# Altium PCB PCBV3.PcbDoc (part 1 of 3) (continued)
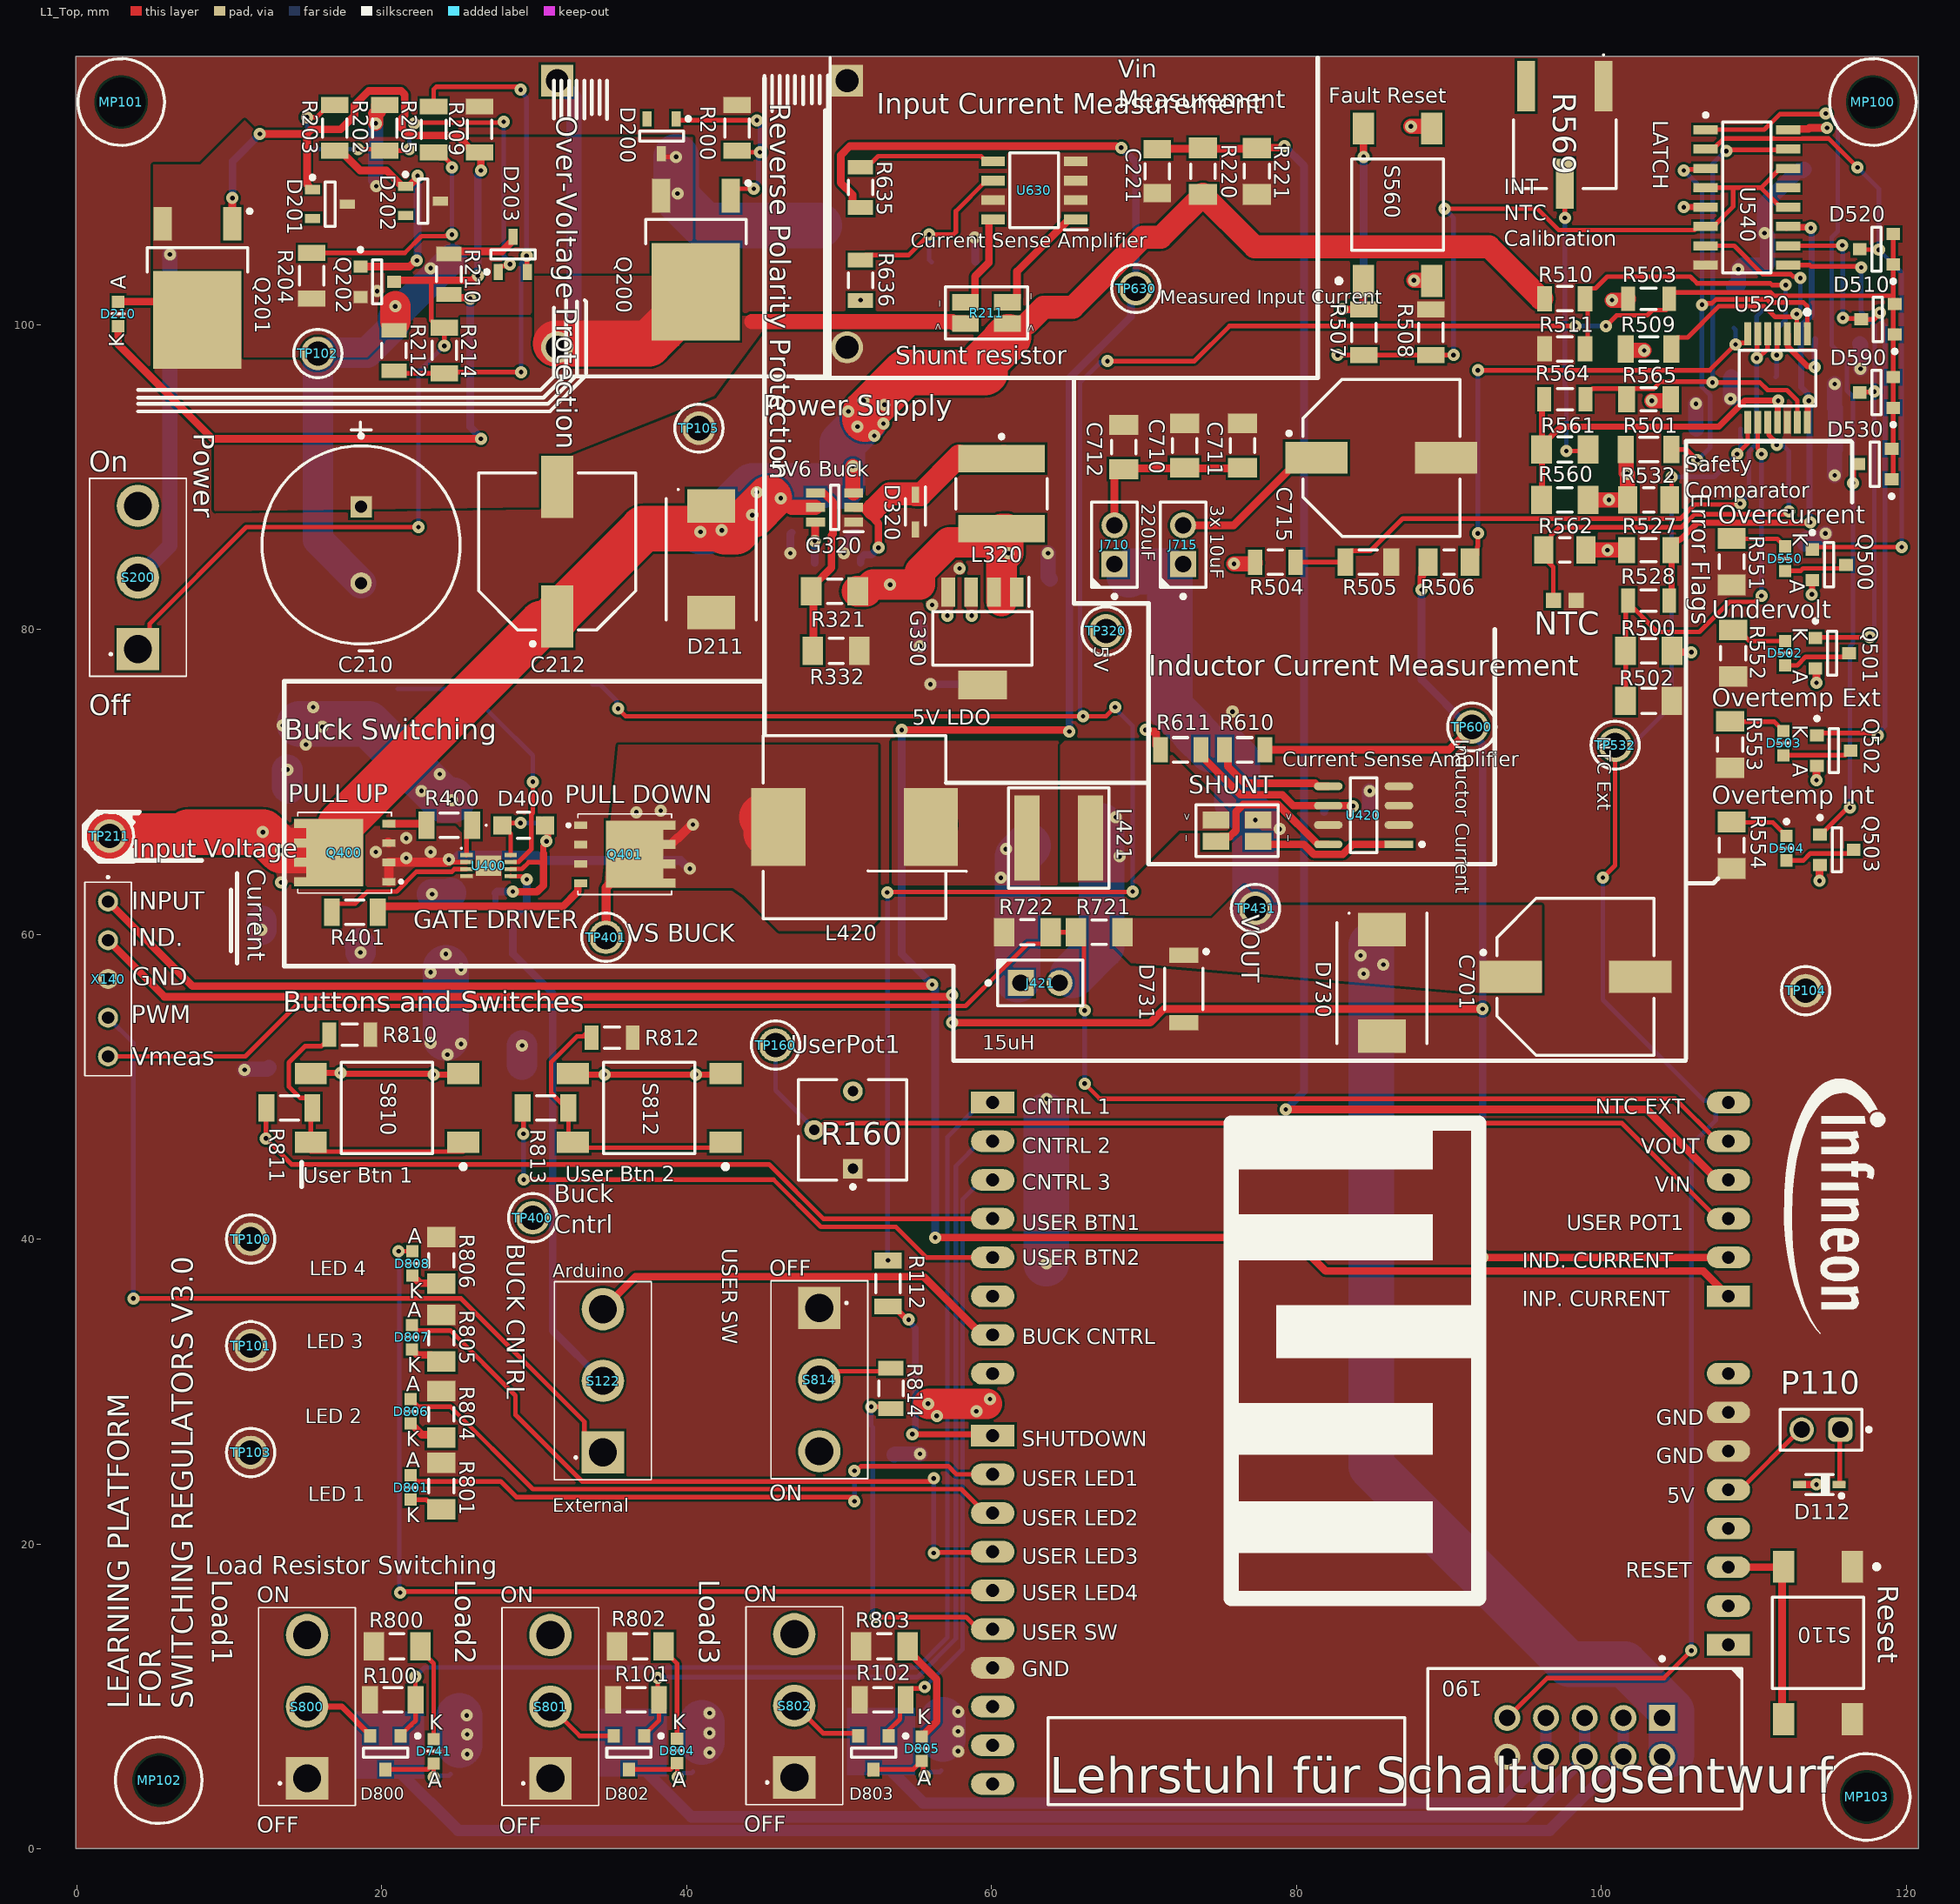
[diagram p0: L1_Top view]
## Components (designator, comment, footprint, x,y, rotation, side; value= is the part's Value field where it differs from the comment) (continued)
NTC "10k" RESC1608X95N-1 97.6,81.9 r180 top value=NTC
P110 "61300211121" 61300211121 114.4,27.5 r180 top
Q200 "IPD650P06NM" TO228P998X250-3N-V2 40.6,105.3 r270 top
Q201 "IPD650P06NM" TO228P998X250-3N-V2 7.899,103.451 r270 top
Q202 "ISS17EP06LM" SOT95P240X110-3N-1-V 19.699,102.801 r0 top
Q400 "BSC067N06LS3_G" BSC080N03LSG 17.8,65.349 r90 top value="BSC067N06LS3 G"
Q401 "BSC067N06LS3_G" BSC080N03LSG 35.7,65.249 r270 top value="BSC067N06LS3 G"
Q402 "IPD70P04P4L08ATMA2" IPD70P04P4L08ATMA2 28.6,74.1 r270 bottom
Q500 "ISS17EP06LM" SOT95P240X110-3N-1-V 114.94,84.24 r0 top
Q501 "ISS17EP06LM" SOT95P240X110-3N-1-V 115.14,78.44 r0 top
Q502 "ISS17EP06LM" SOT95P240X110-3N-1-V 115.24,72.04 r0 top
Q503 "ISS17EP06LM" SOT95P240X110-3N-1-V 115.44,65.54 r0 top
Q741 "igfet_n_ch_enh_dio_1s2s3s4g5d6d7d8d_8p" IFX-PG-TDSON-8-6-V 21.6,6.8 r180 bottom value=BSC0906NS
Q800 "igfet_n_ch_enh_dio_1s2s3s4g5d6d7d8d_8p" IFX-PG-TDSON-8-6-V 37.506,6.965 r180 bottom value=BSC0906NS
Q801 "igfet_n_ch_enh_dio_1s2s3s4g5d6d7d8d_8p" IFX-PG-TDSON-8-6-V 53.806,7.035 r180 bottom value=BSC0906NS
R100 "100k" RESC3216X60N 20.721,9.769 r180 top
R101 "100k" RESC3216X60N 36.681,9.768 r180 top
R102 "100k" RESC3216X60N 52.856,9.769 r180 top
R112 "47k" RESC3216X60N 53.2,37.079 r270 top
R160 "10k" POT-THT-3362P 49.63,47.16 r90 top value=3362P-1-103T_LF
R200 "47k" RESC3216X60N 43.3,112.9 r270 top
R202 "47k" RESC3216X60N 20.2,112.9 r90 top
R203 "47k" RESC3216X60N 16.9,112.9 r90 top
R204 "100k" RESC3216X60N 15.399,103.201 r90 top
R205 "47k" RESC3216X60N 23.4,112.8 r270 top
R209 "47k" RESC3216X60N 26.4,112.8 r270 top
R210 "18k" FP-CRCW1206-e3-IPC_C 24.399,103.301 r270 top
R211 "15mR" RES-SMD-L4T12 59.66,100.76 r180 top
R212 "18k" FP-CRCW1206-e3-IPC_C 20.8,98.3 r270 top
R214 "1MEG" RESC3216X60N 24.1,98.3 r90 top
R220 "22k" FP-CRCW1206-e3-IPC_A 73.86,110.06 r270 top
R221 "4.7k" RESC3216X60X45ML15T20 77.4,110.06 r90 top
R321 "39k" FP-CRCW1206-e3-IPC_A 49.7,82.5 r0 top
R332 "4.7k" RESC3216X60X45ML15T20 49.8,78.6 r180 top
R400 "20.5R" RESC3216X60N 24.425,67.152 r0 top
R401 "20.5R" RESC3216X60N 18.226,61.449 r180 top
R402 "4.7k" RESC3216X60X45ML15T20 19.525,76.1 r0 bottom
R500 "22k" FP-CRCW1206-e3-IPC_A 103.1,78.6 r0 top
R501 "4.7k" RESC3216X60N 103.1,91.8 r180 top
R502 "4.7k" RESC3216X60X45ML15T20 103.1,75.3 r180 top value=4.7KOhm
R503 "47k" RESC3216X60X45LL10T20 103.1,101.7 r180 top
R504 "64.9k" FP-CRCW1206-e3-IPC_C 78.604,84.41 r180 top
R505 "64.9k" RESC3216X60N 84.704,84.41 r180 top
R506 "10k" RESC3116X65X50NL20T20 90.004,84.41 r0 top
R507 "100k" RESC3216X60N 84.405,99.488 r90 top
R508 "2.2k" RESC3216X60N 88.818,99.488 r90 top
R509 "4.7k" RESC3216X60N 103.1,98.4 r180 top
R510 "56k" FP-CRCW1206-e3-IPC_C 97.6,101.7 r180 top
R511 "18k" FP-CRCW1206-e3-IPC_C 97.6,98.4 r0 top
R527 "100k" RESC3216X60X45NL10T20 103.1,85.2 r180 top
R528 "47k" RESC3216X60X45LL10T20 103.1,81.9 r0 top
R532 "10k" RESC3116X65X50NL20T20 103.1,88.5 r180 top
R551 "4.7k" RESC3216X60X45ML15T20 108.54,84.44 r90 top value=4.7KOhm
R552 "4.7k" RESC3216X60X45ML15T20 108.64,78.44 r90 top value=4.7KOhm
R553 "4.7k" RESC3216X60X45ML15T20 108.44,72.44 r90 top value=4.7KOhm
R554 "4.7k" RESC3216X60X45ML15T20 108.54,65.84 r90 top value=4.7KOhm
R560 "22k" FP-CRCW1206-e3-IPC_A 97.6,88.5 r0 top
R561 "4.7k" RESC3216X60X45ML15T20 97.6,91.8 r180 top value=4.7KOhm
R562 "10k" RESC3116X65X50NL20T20 97.6,85.2 r0 top
R564 "47k" RESC3216X60X45LL10T20 97.6,95.1 r0 top
R565 "100k" RESC3216X60X45NL10T20 103.1,95.1 r0 top
R569 "10k" 3361P1103GLF 97.6,112.44 r180 top value=3361P-1-103GLF
R610 "2.2k" FP-CRCW1206-e3-IPC_C 76.6,72.1 r0 top
R611 "0k" FP-CRCW1206-e3-IPC_C 72.4,72.1 r180 top
R635 "2.2k" FP-CRCW1206-e3-IPC_C 51.4,109 r270 top
R636 "0k" FP-CRCW1206-e3-IPC_C 51.4,102.9 r270 top
R721 "22k" FP-CRCW1206-e3-IPC_A 67.052,60.133 r0 top
R722 "4.7k" RESC3216X60X45ML15T20 62.353,60.132 r0 top
R800 "4.7k" RESC3216X60X45ML15T20 20.996,13.281 r0 top value=4.7KOhm
R801 "4.7k" RESC3216X60X45ML15T20 23.9,23.8 r270 top value=4.7KOhm
R802 "4.7k" RESC3216X60X45ML15T20 36.956,13.281 r0 top value=4.7KOhm
R803 "4.7k" RESC3216X60X45ML15T20 52.956,13.281 r0 top value=4.7KOhm
R804 "4.7k" RESC3216X60X45ML15T20 23.9,28.5 r270 top value=4.7KOhm
R805 "4.7k" RESC3216X60X45ML15T20 23.9,33.5 r270 top value=4.7KOhm
R806 "4.7k" RESC3216X60X45ML15T20 23.9,38.6 r270 top value=4.7KOhm
R810 "47k" RESC3216X60X45LL10T20 17.9,53.4 r180 top
R811 "64.9k" RESC3216X60N 13.939,48.6 r180 top
R812 "47k" RESC3216X60X45LL10T20 35.1,53.2 r180 top
R813 "64.9k" RESC3216X60N 30.739,48.6 r180 top
R814 "18k" FP-CRCW1206-e3-IPC_C 53.4,30.2 r270 top
S110 "1301.9314" SW-SMD-1301.9314 114.2,13.5 r270 top
S122 "500SSP1S2M2QEA" 500SSP1S2M2QEA 34.5,26 r90 top
S200 "500SSP1S2M2QEA" 500SSP1S2M2QEA 3.999,78.701 r90 top
S560 "1301.9314" SW-SMD-1301.9314 86.627,107.863 r90 top
S800 "500SSP1S2M2QEA" 500SSP1S2M2QEA 15.096,4.622 r90 top
S801 "500SSP1S2M2QEA" 500SSP1S2M2QEA 31.056,4.622 r90 top
S802 "500SSP1S2M2QEA" 500SSP1S2M2QEA 47.056,4.681 r90 top
S810 "1301.9314" SW-SMD-1301.9314 20.339,48.6 r180 top
S812 "1301.9314" SW-SMD-1301.9314 37.539,48.6 r180 top
S814 "500SSP1S2M2QEA" 500SSP1S2M2QEA 48.7,35.477 r270 top
SHUNT "15mR" RES-SMD-L4T12 76.1,66.8 r0 top
TP100 "5011" CON-THT-TP-5011 11.4,40 r90 top
TP101 "5011" CON-THT-TP-5011 11.4,33 r90 top
TP102 "5011" CON-THT-TP-5011 15.799,98.101 r0 top
TP103 "5011" CON-THT-TP-5011 11.4,26 r90 top
TP104 "5011" CON-THT-TP-5011 113.4,56.3 r270 top
TP105 "5011" CON-THT-TP-5011 40.8,93.2 r90 top
TP160 "5010" CON-THT-TP-5010 45.827,52.727 r180 top
TP211 "5010" CON-THT-TP-5010 2.139,66.441 r270 top
TP320 "5010" CON-THT-TP-5010 67.5,79.9 r90 top
TP400 "5010" CON-THT-TP-5010 29.9,41.4 r270 top
TP401 "5010" CON-THT-TP-5010 34.7,59.8 r0 top
TP431 "5010" CON-THT-TP-5010 77.3,61.7 r270 top
TP532 "5010" CON-THT-TP-5010 100.9,72.4 r90 top
TP600 "5010" CON-THT-TP-5010 91.5,73.6 r90 top
TP630 "5010" CON-THT-TP-5010 69.46,102.36 r90 top
U400 "LTC4449EDCBTRMPBF" DFN200X300X80-9N 27,64.5 r0 top
U420 "TSC2010HYDT" FP-SO8-IPC_C 84.4,67.8 r180 top
U520 "LM339PWR" SOP65P640X120-14N-1 111.552,96.49 r270 top
U540 "HEF4043BT,653" SOIC127P600X175-16N-6 109.54,108.34 r0 top
U630 "TSC2011HYDT" SOIC127P600X175-8N 62.8,108.8 r180 top
X100 "973 582-101" "CON-THT-973 582- 101" 31.5,107.25 r270 bottom
X101 "973 582-100" "CON-THT-973 582- 100" 50.517,107.25 r270 bottom
X110 "Arduino-Uno" Arduino-Uno 84.2,26.6 r90 bottom
X140 "CES-105-01-L-S" CES-105-XX-Y-S 2.039,62.141 r270 top

## Footprints (in the part's own frame and the unit in brackets; to place one, negate y for a bottom-side part, rotate by r counter-clockwise, add the part's x,y. Pads: shape width x height; smd on the part's side, far side on the other; paste and mask are expansions set on the pad)
500SSP1S2M2QEA [mm]
  rect 2.775x2.775 hole 1.85: 1(0,0)
  round 2.775 hole 1.85: 2(4.7,0) 3(9.4,0)
  silkscreen extent -1.79,-3.17 11.2,3.18, body extent -1.65,-3.3 11.05,3.3, height 13.59
3361P1103GLF [mm]
  rect 1.19x3.3 smd: 1(-2.54,-3.2) 2(0,3.2) 3(2.54,-3.2)
  silkscreen extent -3.35,-5.3 3.35,3.52, body extent -3.35,-4.27 3.35,4.27, height 5.23
61300211121 [mm] "Pin Header, pitch 2.54 mm, THT, Vertical, single row, 2p"
  rrect50% 1.6x1.6 hole 1.1: 1(-1.27,0)
  round 1.6 hole 1.1: 2(1.27,0)
  silkscreen extent -3.26,-1.35 2.69,1.35, body extent -2.54,-1.27 2.54,1.27, height 8.57
Arduino-Uno [mm] "Arduino-Uno, THT, 32 Pin, 68.58 mm L X 53.34 mm W X 8.64 mm H body"
  rect 1.422x2.845 hole 0.85 paste-2539.97 mask+0: 1A(-13.208,24.13) 1B(9.652,24.13) 1C(0.508,-24.13) 1D(22.352,-24.13)
  oval 1.422x2.845 hole 0.85 paste-2539.97 mask+0: 2A(-10.668,24.13) 2B(12.192,24.13) 2C(-2.032,-24.13) 2D(19.812,-24.13) 3A(-8.128,24.13) 3B(14.732,24.13) 3C(-4.572,-24.13) 3D(17.272,-24.13) 4A(-5.588,24.13) 4B(17.272,24.13) 4C(-7.112,-24.13) 4D(14.732,-24.13) 5A(-3.048,24.13) 5B(19.812,24.13) 5C(-9.652,-24.13) 5D(12.192,-24.13) 6A(-0.508,24.13) 6B(22.352,24.13) 6C(-12.192,-24.13) 6D(9.652,-24.13) 7A(2.032,24.13) 7C(-14.732,-24.13) 7D(7.112,-24.13) 8A(4.572,24.13) 8C(-17.272,-24.13) 8D(4.572,-24.13) 9C(-19.812,-24.13) 10C(-22.352,-24.13)
BSC080N03LSG [mm]
  rect 0.5x0.85 smd: 1(-1.905,-2.662) 2(-0.635,-2.662) 3(0.635,-2.662) 4(1.905,-2.662)
  rect 0.6x0.8 smd: 5(1.905,3.163) 6(0.635,3.163) 7(-0.635,3.163) 8(-1.905,3.163)
  rect 4.41x3.75 smd: 9(0,0.888)
  silkscreen extent -2.65,-3.56 2.65,3.31, body extent -2.7,-3.08 2.69,3.07, height 1
CAPAE1030X1050N-3 [mm] "Capacitor,Aluminum Electrolytic;10.30mm L X 10.30mm W X 10.50mm H"
  rect 4.1x2.1 smd paste+0 mask+0: 1(-4.25,0) 2(4.25,0)
  silkscreen extent -6.17,-5.15 5.15,5.15, body extent -5.5,-5.15 5.5,5.15, height 10.5
CAPC3216X95N [mm] "Capacitor,non-polarized,Chip;3.20mm L X 1.60mm W X 0.95mm H"
  rect 1.2x1.8 smd paste+0 mask+0: 1(-1.45,0) 2(1.45,0)
  silkscreen extent -0.5,-0.8 0.5,0.8, body extent -1.6,-0.8 1.6,0.8, height 0.95
CAPC3216X125N-0 [mm] "Capacitor,non-polarized,Chip;3.20mm L X 1.60mm W X 1.25mm H"
  rect 1.2x1.8 smd paste+0 mask+0: 1(-1.45,0) 2(1.45,0)
  silkscreen extent -0.5,-0.8 0.5,0.8, body extent -1.6,-0.8 1.6,0.8, height 1.25
CAPC3216X190N-1 [mm] "Capacitor,non-polarized,Chip;3.20mm L X 1.60mm W X 1.90mm H"
  rect 1.3x1.9 smd paste+0 mask+0: 1(-1.45,0) 2(1.45,0)
  silkscreen extent -0.45,-0.8 0.45,0.8, body extent -1.6,-0.8 1.6,0.8, height 1.9
CAPPRD500W60D1300H2700B [mm] "Capacitor,polarized,Radial;5.00mm C X 0.60mm W 13.00mm Dia X 27.00mm H"
  rect 1.4x1.4 hole 0.8 mask+0: 1(-2.5,0)
  round 1.4 hole 0.8 mask+0: 2(2.5,0)
  silkscreen extent -7.27,-6.5 6.5,6.5, body extent -6.75,-6.75 6.75,6.75, height 27
CES-105-XX-Y-S [mm]
  round 1.31 hole 0.81: 1(0,0) 2(2.54,0) 3(5.08,0) 4(7.62,0) 5(10.16,0)
  silkscreen extent -1.65,-1.53 11.43,1.53, body extent -1.26,-1.52 11.44,1.52, height 5.54
CON-M-THT-61201021621 [mm] "Connector, THT, 2.54mm Pitch; 10 Pins, 9.10 mm L X 20.36 mm W X 9.25 mm H body"
  rect 1.7x1.7 hole 1.1 paste-2539.97 mask+0: 1(-1.27,5.08)
  round 1.7 hole 1.1 paste-2539.97 mask+0: 2(1.27,5.08) 3(-1.27,2.54) 4(1.27,2.54) 5(-1.27,0) 6(1.27,0) 7(-1.27,-2.54) 8(1.27,-2.54) 9(-1.27,-5.08) 10(1.27,-5.08)
  silkscreen extent -5.27,-10.3 4.7,10.3, body extent -4.46,-10.18 4.71,10.18, height 9.1
CON-M-THT-61300211121 [mm] "Header, Vertical, 2.54mm Pitch; 2 Pins, Single row, 5.08mm L X 2.54mm W X 8.89mm H body"
  rect 1.7x1.7 hole 1.1 paste-2539.97 mask+0: 1(-1.27,0)
  round 1.7 hole 1.1 paste-2539.97 mask+0: 2(1.27,0)
  silkscreen extent -3.52,-1.5 2.8,1.5, body extent -2.54,-1.27 2.54,1.27, height 8.54
"CON-THT-973 582- 100" [mm] "Banana Jack, 2 pins, 17.5mm Pitch, 21mm L X 7.5mm W X 10.5mm H body"
  rect 2.1x2.1 hole 1.5 paste-2539.97 mask+0: 1(-8.75,0)
  round 2.1 hole 1.5 paste-2539.97 mask+0: 2(8.75,0)
  silkscreen extent -9.2,-4.25 11.8,3.75, body extent -9.2,-4.25 11.8,3.75, height 10.5
"CON-THT-973 582- 101" [mm] "Banana Jack, 2 pins, 17.5mm Pitch, 21mm L X 7.5mm W X 10.5mm H body"
  rect 2.1x2.1 hole 1.5 paste-2539.97 mask+0: 1(-8.75,0)
  round 2.1 hole 1.5 paste-2539.97 mask+0: 2(8.75,0)
  silkscreen extent -9.2,-4.25 11.8,3.75, body extent -9.2,-4.25 11.8,3.75, height 10.5
CON-THT-TP-5010 [mm] "Test Point, 1.78 mm Lead Width, Round, 3.17 mm Dia X 8.28 mm H body"
  round 2.2 hole 1.6 paste-2539.97 mask+0: 1(0,0)
  silkscreen extent -1.59,-1.58 1.59,1.58, body extent -1.59,-1.59 1.59,1.59, height 8.13
CON-THT-TP-5011 [mm] "Test Point, 1.78 mm Lead Width, Round, 3.17 mm Dia X 8.28 mm H body"
  round 2.2 hole 1.6 paste-2539.97 mask+0: 1(0,0)
  silkscreen extent -1.58,-1.59 1.58,1.59, body extent -1.59,-1.59 1.59,1.59, height 8.13
DFN200X300X80-9N [mil]
  rect 32x11 smd: 1(-57,27) 2(-57,9) 3(-57,-9) 4(-57,-27) 5(57,-27) 6(57,-9) 7(57,9) 8(57,27)
  rect 65x53 smd: 9(0,0)
  silkscreen extent -72,43 -68,47, body extent -61,-41 61,41, height 32
DIOM7959X262N [mm]
  rect 2.2x3.15 smd: 1(-3.5,0) 2(3.5,0)
  silkscreen extent -4.63,-2.95 3.97,2.95, body extent -3.97,-2.95 3.97,2.95, height 2.62
FP-1206-L_3_2_0_2-W_1_6_0-MFG [mm]
  rect 1x1.6 smd paste+0 mask+0: 1(-1.5,0) 2(1.5,0)
  silkscreen extent -0.63,-0.9 0.63,0.9, body extent -1.6,-0.8 1.6,0.8, height 0.94
FP-1206-L_3_2_0_3-W_1_6_0-IPC_B [mm]
  rect 1.503x1.904 smd paste+0 mask+0: 1(-1.35,0) 2(1.35,0)
  silkscreen extent -0.3,-0.95 0.3,0.95, body extent -1.6,-0.8 1.6,0.8, height 1.9
FP-CRCW1206-e3-IPC_A [mm]
  rect 1.356x1.858 smd paste+0 mask+0: 1(-1.526,0) 2(1.526,0)
  silkscreen extent -0.47,-0.8 0.47,0.8, body extent -2.7,-1.43 2.7,1.43, height 0.25
FP-CRCW1206-e3-IPC_C [mm]
  rect 0.956x1.658 smd paste+0 mask+0: 1(-1.326,0) 2(1.326,0)
  silkscreen extent -0.47,-0.8 0.47,0.8, body extent -1.9,-0.97 1.9,0.97, height 0.25
FP-GRM319-0_15-IPC_C [mm]
  rect 1.106x1.658 smd paste+0 mask+0: 1(-1.276,0) 2(1.276,0)
  silkscreen extent -0.42,-0.87 0.42,0.87, body extent -1.6,-0.8 1.6,0.8, height 0.95
FP-SO8-IPC_C [mm]
  rect 1.874x0.512 smd paste+0 mask+0: 1(-2.316,1.905)
  rrect100% 1.874x0.512 smd paste+0 mask+0: 2(-2.316,0.635) 3(-2.316,-0.635) 4(-2.316,-1.905) 5(2.316,-1.905) 6(2.316,-0.635) 7(2.316,0.635) 8(2.316,1.905)
  silkscreen extent -3.95,-2.45 0.88,2.45, body extent -3.35,-2.55 3.35,2.55, height 0.25
IFX-PG-TDSON-8-6-V [mm] "PG-TDSON-8-6, SMD, 1.27 mm pitch, 8 pin, 5.90 mm W X 5.075 mm L X 1.20 mm H body"
  rect 0.925x0.5 smd paste-0.05 mask+0: 1(-2.894,1.905) 2(-2.894,0.635) 3(-2.894,-0.635) 4(-2.894,-1.905)
  rect 0.8x0.6 smd paste-0.3 mask-0.3: 5(2.894,-1.905) 6(2.894,-0.635) 7(2.894,0.635) 8(2.894,1.905)
  L1_Top region: -1.161,2.205 3.294,2.205 3.294,-2.205 -1.161,-2.205
  silkscreen extent -4.57,-2.7 3.7,2.7, body extent -3.11,-2.7 3.04,2.7, height 1.01
IND-SMD-74404064220 [mm] "Inductor; 2 pin, 6.00 mm L X 6.00 mm W X 4.50 mm H Body"
  rect 1.8x5.7 smd mask+0: 1(-2.3,0) 2(2.3,0)
  silkscreen extent -3.87,-3 1,3, body extent -3,-3 3,3, height 4.5
IND-SMD-SRP6060FA [mm] "Inductor, SMD, 2 pin, 6.40 mm L X 6.60 mm W X 6.00 mm H body"
  rect 1.65x5.6 smd paste+0 mask+0: 1(-2.075,0) 2(2.075,0)
  silkscreen extent -3.3,-3.3 3.3,3.3, body extent -3.2,-3.3 3.2,3.3, height 5.86
INDM120120X1000N [mm] "Inductor,Molded Body;12.00mm L X 12.00mm W X 10.00mm H"
  rect 3.55x5.1 smd paste+0 mask+0: 1(-5,0) 2(5,0)
  silkscreen extent -6,-6 6,6, body extent -6,-6 6,6, height 10.36
IPD70P04P4L08ATMA2 [mm]
  rect 1.2x2.2 smd: 1(-2.28,-5.22) 3(2.28,-5.22)
  rect 5.8x6.4 smd: 2(0,1.08)
  silkscreen extent -3.25,-6.8 3.25,3.11, body extent -3.25,-6.02 3.25,3.98, height 2.45
LEDSC160X80X80-2N-1 [mm] "LED,Side Concave; 2 pin,1.60mm W X 0.80mm L X 0.80mm H"
  rect 0.8x0.8 smd paste+0 mask+0: 1(-0.8,0) 2(0.8,0)
  silkscreen extent 0,-0.4 0,0.4, body extent -0.8,-0.4 0.8,0.4, height 0.7
PMEG3010ER115 [mm]
  rect 1.2x1.2 smd: 1(-1.4,0) 2(1.4,0)
  silkscreen extent -2.5,-0.85 0.4,0.85, body extent -1.75,-1 1.75,1, height 1.07
POT-THT-3362P [mm] "Potentiometer, THT, 2.54 mm pitch, 3 pin, 6.60 mm L X 6.99 mm W X 15.06 mm H body"
  rect 1.29x1.29 hole 0.69 paste-2539.97 mask+0: 1(-2.54,-1.27)
  round 1.29 hole 0.69 paste-2539.97 mask+0: 2(0,1.27) 3(2.54,-1.27)
  silkscreen extent -3.86,-4.8 3.3,2.3, body extent -3.3,-4.8 3.3,2.19, height 14.63
RES-SMD-L4T12 [mm] "Resistor, SMD, 4 pin, 3.00 mm L X 1.60 mm W X 0.65 mm H body"
  rect 1.75x1.1 smd paste+0 mask+0: 1(-1.375,0.7) 2(1.375,0.7) 3(-1.375,-0.7) 4(1.375,-0.7)
  silkscreen extent -2.7,-1.7 2.7,1.7, body extent -1.5,-0.8 1.5,0.8, height 0.65
RESC1608X95N-1 [mm] "Resistor,Chip;1.60mm L X 0.80mm W X 0.95mm H"
  rect 1x1 smd paste+0 mask+0: 1(-0.75,0) 2(0.75,0)
  body extent -0.8,-0.4 0.8,0.4, height 0.95
RESC3116X65X50NL20T20 [mm] "Chip Resistor, 2-Leads, Body 3.10x1.60mm, IPC Medium Density"
  rect 1.25x1.8 smd: 1(-1.375,0) 2(1.375,0)
  silkscreen extent -0.35,-0.8 0.35,0.8, body extent -1.65,-0.9 1.65,0.9, height 0.65
RESC3216X60N [mm]
  rect 1.05x1.8 smd paste+0 mask+0: 1(-1.5,0) 2(1.5,0)
  silkscreen extent -0.6,-0.8 0.6,0.8, body extent -1.6,-0.8 1.6,0.8, height 0.55
RESC3216X60X45LL10T20 [mm] "Chip Resistor, 2-Leads, Body 3.20x1.60mm, IPC High Density"
  rect 0.9x1.6 smd: 1(-1.35,0) 2(1.35,0)
  silkscreen extent -0.5,-0.7 0.5,0.7, body extent -1.65,-0.85 1.65,0.85, height 0.6
RESC3216X60X45ML15T20 [mm] "Chip Resistor, 2-Leads, Body 3.3x1.75mm, IPC Low Density"
  rect 1.35x1.85 smd: 1(-1.525,0) 2(1.525,0)
  silkscreen extent -0.45,-0.82 0.45,0.82, body extent -1.65,-0.87 1.65,0.87, height 0.6
RESC3216X60X45NL10T20 [mm] "Chip Resistor, 2-Leads, Body 3.20x1.60mm, IPC Medium Density"
  rect 1.1x1.7 smd: 1(-1.45,0) 2(1.45,0)
  silkscreen extent -0.5,-0.75 0.5,0.75, body extent -1.65,-0.85 1.65,0.85, height 0.6
"SCREW_0082 3 16_NPTH"#1 [mm] "M3 Cheese Head Screw X 5.68mm Head"
  round 0 hole 3.2 unplated paste-2539.97 mask+0: ""(0,0)
  silkscreen extent -2.84,-2.84 2.84,2.84, body extent -2.84,-2.84 2.84,2.84, height 3
"SCREW_0082 3 16_NPTH"#2 [mm] "M3 Cheese Head Screw X 5.68mm Head"
  round 0 hole 3.2 unplated paste-2539.97 mask+0: ""(0.04,0)
  silkscreen extent -2.84,-2.84 2.84,2.84, body extent -2.84,-2.84 2.84,2.84, height 3
SOD2513X110N#1 [mm] "SOD;1.75mm W X 1.30mm L X 1.10mm H body"
  rect 0.85x0.5 smd paste+0 mask+0: 1(-1.3,0) 2(1.3,0)
  silkscreen extent -1.58,-0.65 0.9,0.87, body extent -0.87,-0.65 0.87,0.65, height 1.1
SOD2513X110N#2 [mm]
  rect 1.05x0.5 smd: 1(-1.138,0) 2(1.138,0)
  silkscreen extent -1.66,-0.65 0.87,0.65, body extent -1.25,-0.65 1.25,0.65, height 1.1
SODFL4725X110N [mm] "SODFL Diode;3.80mm W X 2.5mm L X 1.10mm H body"
  rect 1x1.93 smd paste+0 mask+0: 1(-2.21,0) 2(2.21,0)
  silkscreen extent -2.58,-1.25 1.35,1.6, body extent -2.35,-1.25 2.35,1.25, height 1.1
SOIC127P600X175-8N [mm]
  rect 1.525x0.65 smd: 1(-2.712,1.905) 2(-2.712,0.635) 3(-2.712,-0.635) 4(-2.712,-1.905) 5(2.712,-1.905) 6(2.712,-0.635) 7(2.712,0.635) 8(2.712,1.905)
  silkscreen extent -3.47,-2.45 1.6,2.58, body extent -3,-2.45 3,2.45, height 1.75
SOIC127P600X175-16N-6 [mm] "SOIC,1.27mm pitch;16 pin,3.90mm W X 9.90mm L X 1.75mm H body"
  rect 1.6x0.6 smd paste+0 mask+0: 1(-2.7,4.445) 2(-2.7,3.175) 3(-2.7,1.905) 4(-2.7,0.635) 5(-2.7,-0.635) 6(-2.7,-1.905) 7(-2.7,-3.175) 8(-2.7,-4.445) 9(2.7,-4.445) 10(2.7,-3.175) 11(2.7,-1.905) 12(2.7,-0.635) 13(2.7,0.635) 14(2.7,1.905) 15(2.7,3.175) 16(2.7,4.445)
  silkscreen extent -2.82,-4.95 1.57,5.52, body extent -3,-4.95 3,4.95, height 1.75
SOP65P640X120-14N-1 [mm] "SOP,0.65mm pitch;14 pin,4.40mm W X 5.00mm L X 1.20mm H body"
  rect 1.5x0.45 smd paste+0 mask+0: 1(-2.9,1.95) 2(-2.9,1.3) 3(-2.9,0.65) 4(-2.9,0) 5(-2.9,-0.65) 6(-2.9,-1.3) 7(-2.9,-1.95) 8(2.9,-1.95) 9(2.9,-1.3) 10(2.9,-0.65) 11(2.9,0) 12(2.9,0.65) 13(2.9,1.3) 14(2.9,1.95)
  silkscreen extent -4.47,-2.5 1.83,2.5, body extent -3.05,-2.5 3.05,2.5, height 1.21
SOT95P230X110-3N [mm] "SOT,0.95mm pitch;3 pin,1.30mm W X 2.90mm L X 1.10mm H body"
  rect 1x0.6 smd paste+0 mask+0: 1(-1.15,0.95) 2(-1.15,-0.95) 3(1.15,0)
  silkscreen extent -1.27,-1.45 0.33,1.88, body extent -1.15,-1.45 1.15,1.45, height 1.11
SOT95P237X112-3N-1 [mm] "SOT,0.95mm pitch;3 pin,1.30mm W X 2.92mm L X 1.12mm H body"
  rect 1.05x0.6 smd paste+0 mask+0: 1(-1.15,0.95) 2(-1.15,-0.95) 3(1.15,0)
  silkscreen extent -1.27,-1.45 0.3,1.83, body extent -1.18,-1.46 1.18,1.46, height 1.12
SOT95P240X110-3N-1-V [mm] "SOT,0.95mm pitch;3 pin,1.30mm W X 2.90mm L X 1.10mm H body"
  rect 0.9x0.8 smd paste+0 mask+0: 1(-1.1,1) 2(-1.1,-1) 3(1.1,0)
  silkscreen extent -1.22,-1.45 0.3,2.23, body extent -1.21,-1.45 1.19,1.45, height 1.1
SOT95P280X110-6N [mm]
  rect 1.25x0.6 smd: 1(-1.25,0.95) 2(-1.25,0) 3(-1.25,-0.95) 4(1.25,-0.95) 5(1.25,0) 6(1.25,0.95)
  silkscreen extent -1.88,-1.45 0.28,1.6, body extent -1.4,-1.45 1.4,1.45, height 0.97
SOT150P700X180-5N [mm]
  rect 1.9x0.9 smd: 1(-3.05,2.25) 2(-3.05,0.75) 3(-3.05,-0.75) 4(-3.05,-2.25)
  rect 1.9x3.2 smd: 5(3.05,0)
  silkscreen extent -4,-3.25 1.75,3.25, body extent -3.48,-3.25 3.48,3.25, height 1.68